# Altium PCB PCB2.PcbDoc (continued)
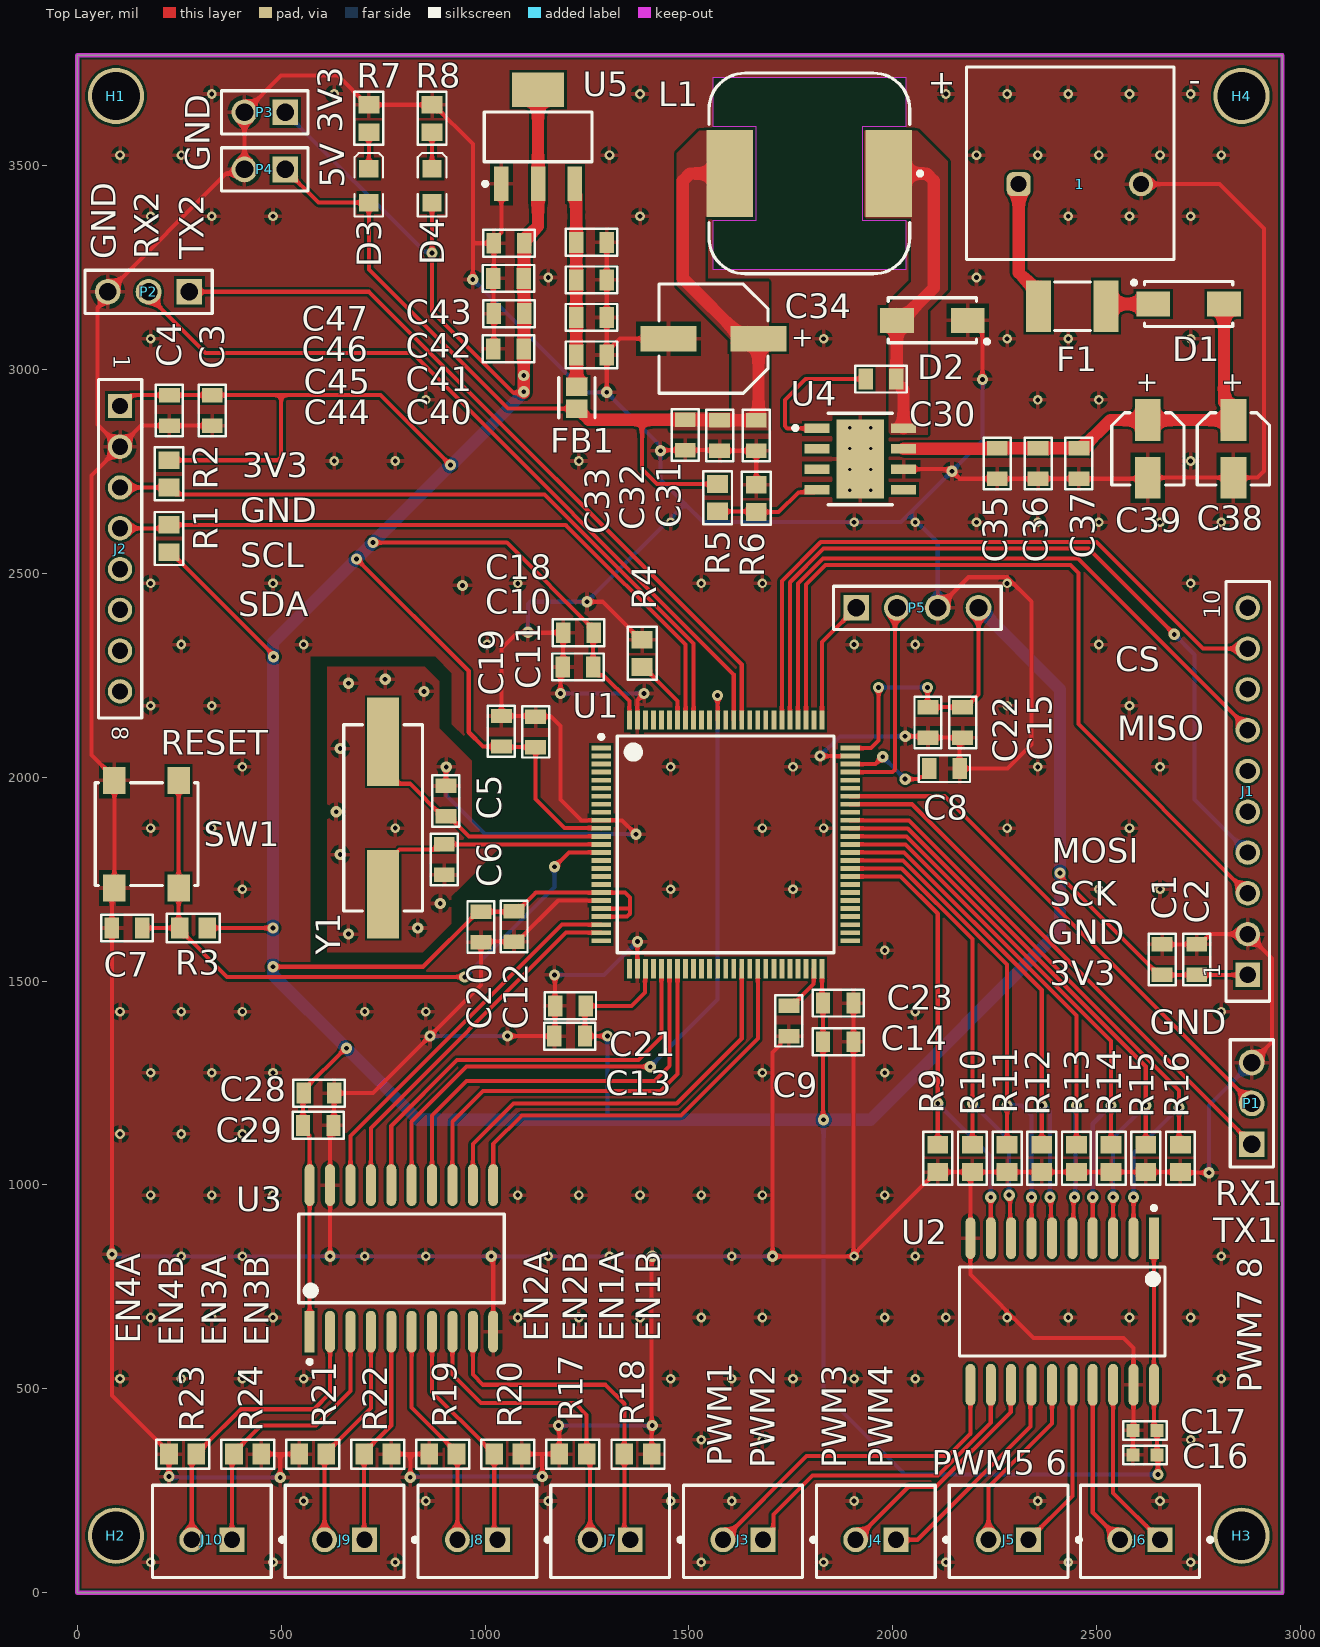
[diagram p0: Top Layer view]
## Part data (continued)
R5: library part 0008051035, "RES, size 0805, 10 KOhm, 1/8 W", Manufacture  Name="Vishay Dale", Manufacture  SN=CRCW080510K0JNEAC, Rated Power="1/8 W", Resistance="10 KOhm", Resistance Tolerance=+/-5%, ComponentLink1Description="Datasheet link", ComponentLink1URL=https://www.vishay.com/docs/28773/crcwce3.pdf, ComponentLink2Description="Supplier 1 URL", ComponentLink2URL=https://www.mouser.vn/ProductDetail/Vishay-Dale/CRCW080510K0JNEB?qs=LOX6nxTstiZ5fn9YUdHx5A%3D%3D, ComponentLink3Description="Supplier 2 URL", ComponentLink3URL=https://www.digikey.com/en/products/detail/vishay-dale/CRCW080510K0JNEAC/7928585, ComponentLink4Description="Supplier 3 URL", ComponentLink4URL=N/A, Mounting Technology=SMT, Size=0805, Supplier 1 Name=Mouser, Supplier 1 SN=71-CRCW080510K0JNEB, Supplier 1 URL=https://www.mouser.vn/ProductDetail/Vishay-Dale/CRCW080510K0JNEB?qs=LOX6nxTstiZ5fn9YUdHx5A%3D%3D, Supplier 2 Name=Digi-Key, Supplier 2 SN=541-4163-2-ND, Supplier 2 URL=https://www.digikey.com/en/products/detail/vishay-dale/CRCW080510K0JNEAC/7928585, Supplier 3 Name=Thegioiic, Supplier 3 SN=N/A, Supplier 3 URL=N/A
R6: library part 0008053325, "RES, size 0805, 3.3 KOhm, 1/8 W", Manufacture  Name=Panasonic, Manufacture  SN=ERJ-S06J332V, Rated Power="1/8 W", Resistance="3.3 KOhm", Resistance Tolerance=+/-5%, ComponentLink1Description="Datasheet link", ComponentLink1URL=https://www.mouser.vn/datasheet/2/315/AOA0000C334-1314047.pdf, ComponentLink2Description="Supplier 1 URL", ComponentLink2URL=https://www.mouser.vn/ProductDetail/Panasonic/ERJ-S06J332V?qs=Lnc17S3XxqC89pwdWk%2FMHQ%3D%3D, ComponentLink3Description="Supplier 2 URL", ComponentLink3URL=https://www.digikey.com/en/products/detail/panasonic-electronic-components/ERJ-6GEYJ332V/83038, ComponentLink4Description="Supplier 3 URL", ComponentLink4URL=https://www.thegioiic.com/dien-tro-3-3-kohm-0805-5, Mounting Technology=SMT, Size=0805, Supplier 1 Name=Mouser, Supplier 1 SN=667-ERJ-S06J332V, Supplier 1 URL=https://www.mouser.vn/ProductDetail/Panasonic/ERJ-S06J332V?qs=Lnc17S3XxqC89pwdWk%2FMHQ%3D%3D, Supplier 2 Name=Digi-Key, Supplier 2 SN="P3.3KATR-ND - Tape & Reel (TR)", Supplier 2 URL=https://www.digikey.com/en/products/detail/panasonic-electronic-components/ERJ-6GEYJ332V/83038, Supplier 3 Name=Thegioiic, Supplier 3 SN=N/A, Supplier 3 URL=https://www.thegioiic.com/dien-tro-3-3-kohm-0805-5
R8: library part 0008051025, "RES, size 0805, 1 KOhm, 1/8 W", Manufacture  Name="Vishay Dale", Manufacture  SN=CRCW08051K00JNEAC, Rated Power="1/8 W", Resistance="1 KOhm", Resistance Tolerance=+/-5%, ComponentLink1Description="Datasheet link", ComponentLink1URL=https://www.vishay.com/docs/28773/crcwce3.pdf, ComponentLink2Description="Supplier 1 URL", ComponentLink2URL=https://www.mouser.vn/ProductDetail/Vishay-Dale/CRCW08051K00JNEC?qs=OW6ROCK%252BaiZqKFsNe9zjFw%3D%3D, ComponentLink3Description="Supplier 2 URL", ComponentLink3URL=https://www.digikey.com/en/products/detail/vishay-dale/CRCW08051K00JNEAC/7928584, ComponentLink4Description="Supplier 3 URL", ComponentLink4URL=https://www.thegioiic.com/dien-tro-1-kohm-0805-5-, Mounting Technology=SMT, Size=0805, Supplier 1 Name=Mouser, Supplier 1 SN=71-CRCW08051K00JNEC, Supplier 1 URL=https://www.mouser.vn/ProductDetail/Vishay-Dale/CRCW08051K00JNEC?qs=OW6ROCK%252BaiZqKFsNe9zjFw%3D%3D, Supplier 2 Name=Digi-Key, Supplier 2 SN=541-4162-2-ND, Supplier 2 URL=https://www.digikey.com/en/products/detail/vishay-dale/CRCW08051K00JNEAC/7928584, Supplier 3 Name=Thegioiic, Supplier 3 SN=N/A, Supplier 3 URL=https://www.thegioiic.com/dien-tro-1-kohm-0805-5-
R9 R10 R11 R12 R13 R14 R15 R16 R17 R18 R19 R20 R21 R22 R23 R24: library part 0008051021, "RES, size 0805, 1 KOhm, 1/8 W", Manufacture  Name="Vishay Dale", Manufacture  SN=M55342K06B1E00RS3, Rated Power="1/8 W", Resistance="1 KOhm", Resistance Tolerance=+/-1%, ComponentLink1Description="Datasheet link", ComponentLink1URL=https://www.vishay.com/docs/31010/rcwpm.pdf, ComponentLink2Description="Supplier 1 URL", ComponentLink2URL=N/A, ComponentLink3Description="Supplier 2 URL", ComponentLink3URL=https://www.digikey.com/en/products/detail/vishay-dale/M55342K06B1E00RS3/2941798, ComponentLink4Description="Supplier 3 URL", ComponentLink4URL=https://www.thegioiic.com/dien-tro-1-kohm-0805-1, Mounting Technology=SMT, Size=0805, Supplier 1 Name=Mouser, Supplier 1 SN=N/A, Supplier 1 URL=N/A, Supplier 2 Name=Digi-Key, Supplier 2 SN=1135-1001-2-ND, Supplier 2 URL=https://www.digikey.com/en/products/detail/vishay-dale/M55342K06B1E00RS3/2941798, Supplier 3 Name=Thegioiic, Supplier 3 SN=N/A, Supplier 3 URL=https://www.thegioiic.com/dien-tro-1-kohm-0805-1
SW1: "WS-TASV J-Bend SMT Washable Tact Switch, 12VDC, 50mA, 160g, height 3.5mm", Actuator Color=Black, Manufacturer="Wurth Elektronik", Operating Temperature max.=85C, Operating Temperature min.=-40C, Rated Current=50mA, Rated Voltage=12V, ComponentLink1Description="Manufacturer Link", ComponentLink1URL=http://www.we-online.de, ComponentLink2Description=Datasheet, ComponentLink2URL=https://www.we-online.com/catalog/datasheet/430483035816.pdf, Contact Material="Stainless Steel", Contact Plating=Silver, Electrical Life=1000000Cycles, Height=3.5mm, Length=6mm, Manufacturer Part Number=430483035816, Mounting Technology=SMT, Operation Force=160g, Packaging="Tape and Reel", Terminal Material="Copper Alloy", Terminal Plating=Silver, Washable=Yes, Width=6mm
U1: library part CMP-0243-00016-3, "ARM Cortex-M4 32-bit MCU+FPU, 210 DMIPS, 512 kB Flash, 192 kB Internal RAM, 82 I/Os, 100-pin LQFP, -40 to 85 degC, Tray", I/Os (High Current)=82, Manufacturer=STMicroelectronics, Operating Frequency(F) (Processor speed) (MHz)=168, Supply Voltage(Vcc) max (V)=3.6, Supply Voltage(Vcc) min (V)=1.8, ComponentLink1Description="Manufacturer URL", ComponentLink1URL=http://www.st.com/web/en/home.html, ComponentLink2Description=Datasheet, ComponentLink2URL=http://www.st.com/st-web-ui/static/active/en/resource/technical/document/datasheet/DM00037051.pdf, ComponentLink3Description="Package Specification", ComponentLink3URL=http://www.st.com/st-web-ui/static/active/en/resource/technical/document/data_brief/DM00071938.pdf, Core="ARM Cortex-M4", D/A Converter=2x12-bit, DatasheetVersion="Rev. 4", FLASH Size (Prog) (kB)=512, Internal RAM Size (kB)=192, Mounting Technology="Surface Mount", PackageDescription="100-Pin Low Profile Quad Flat Package, 14 x 14 mm Body, 0.5 mm Pitch", PackageReference=LQFP100, PackageVersion="Rev. 1, 06/2013", Packing=Tray, PartNumber=STM32F407VET6
U2 U3: library part CMP-1620-00193-3, "IC TRANSCVR NON-INVERT 6V 20SOIC", Case/Package=SOIC, High Level Output Current=-7.8mA, Low Level Output Current=7.8mA, Max Operating Temperature=85°C, Max Supply Voltage=6V, Min Operating Temperature=-40°C, Min Supply Voltage=2V, Operating Supply Voltage=5V, Package Quantity=1, Quiescent Current=8uA, Contact Plating=Gold, Direction=Bidirectional, Height=2.35mm, Lead Free="Lead Free", Length=12.8mm, Logic Function=Transceiver, Mount="Surface Mount", Number of Bits=8, Number of Bits per Element=8, Number of Channels=8, Number of Circuits=8, Number of Elements=1, Number of Outputs=8, Number of Pins=20, Packaging="Tape and Reel", Polarity=Non-Inverting, Propagation Delay=335ns, Radiation Hardening=No, REACH SVHC="No SVHC", RoHS Compliant=Yes, Turn-On Delay Time=335ns, Weight=0.017662oz, Width=7.52mm
U4: library part CMP-2000-04960-2, "IC REG BUCK ADJUSTABLE 3A 8SOPWR", Manufacturer="Texas Instruments", Max Junction Temp=+125°C, Max Supply Voltage=36V, Min Supply Voltage=5.5V, Nominal Supply Current=3mA, Output Current=3A, Output Voltage=1.23-31V, Package=DDA0008J, Switching Frequency=500kHz, Temperature="-40°C to +125°C", Temperature Range Low=-40°C, Automotive=No, Category=IC, ComponentLink2Description=Datasheet, ComponentLink2URL=http://www.ti.com/lit/ds/symlink/tps5431.pdf, Device Class L1="Integrated Circuits (ICs)", Device Class L2="Power Management ICs", Device Class L3="Voltage Regulators - Switching", Digikey Description="IC REG BUCK ADJUSTABLE 3A 8SOPWR", Height=1.7mm, Lead Free=Yes, Manufacturer Part Number=TPS5430DDA, Max Duty Cycle=89%, Mouser Description="Voltage Regulators - Switching Regulators 5.5 to 36V Input 3A Step Dwn Converter", Number of Outputs=1, Octopart=https://octopart.com/tps5430dda-texas+instruments-589977, Output Type=AdjustableProgrammable, RoHS=TRUE, Standoff Height=0mm, Switching Topology=Buck, Temperature Range High=+125°C
U5: library part AMS1117-3.3V, "AMS1117-3.3V, OUT 3.3V 1A.", Current Input Maximum=N/A, Current Output Maximum=1A, Manufacturer=AMS, Voltage Input Maximum=15V, Voltage Output=3.3V, ComponentLink1Description="Datasheet link", ComponentLink1URL=http://www.advanced-monolithic.com/pdf/ds1117.pdf, ComponentLink2Description="Supplier 1 URL", ComponentLink2URL=N/A, ComponentLink3Description="Supplier 2 URL", ComponentLink3URL=N/A, ComponentLink4Description="Supplier 3 URL", ComponentLink4URL=N/A, Manufacturer Part Number=N/A, Mounting Technology=SMD, Pad Count=4, Supplier 1 Name=Mouser, Supplier 1 SN=N/A, Supplier 1 URL=N/A, Supplier 2 Name=Digi-Key, Supplier 2 SN=N/A, Supplier 2 URL=N/A, Supplier 3 Name=thegioiic, Supplier 3 SN=N/A, Supplier 3 URL=https://www.thegioiic.com/ams1117-3-3v-ic-on-ap-3-3v-1a-sot-223
Y1: library part 071105086016, "WE-XTAL Quartz Crystal, SMT, HC49/4HSMX, 8MHz, +/-30ppm", Frequency Stability=+/-50ppm, Frequency Tolerance=+/-30ppm, Load Capacitance=16pF, Manufacturer="Wurth Elektronik", Manufacturer Part Number=830003151, Operating Temperature="-10 to +60degC", ComponentLink1Description="Datasheet link", ComponentLink1URL=https://katalog.we-online.com/pbs/datasheet/830003151.pdf, ComponentLink2Description="Supplier 1 URL", ComponentLink2URL=https://www.mouser.com/ProductDetail/Wurth-Elektronik/830003151?qs=2WXlatMagcHisY7XHApyYg%3D%3D, ComponentLink3Description="Supplier 2 URL", ComponentLink3URL=https://www.digikey.com/en/products/detail/w%C3%BCrth-elektronik/830003151/13979296, ComponentLink4Description="Supplier 3 URL", ComponentLink4URL=https://www.thegioiic.com/thach-anh-8mhz-2-chan-smd-hc49-s, Frequency=8MHz, Mounting Technology=SMT, Size=HC49/4HSMX, Supplier 1 Name=Mouser, Supplier 1 SN=710-830003151, Supplier 1 URL=https://www.mouser.com/ProductDetail/Wurth-Elektronik/830003151?qs=2WXlatMagcHisY7XHApyYg%3D%3D, Supplier 2 Name=Digi-Key, Supplier 2 SN=732-830003151TR-ND, Supplier 2 URL=https://www.digikey.com/en/products/detail/w%C3%BCrth-elektronik/830003151/13979296, Supplier 3 Name=thegioiic, Supplier 3 SN=N/A, Supplier 3 URL=https://www.thegioiic.com/thach-anh-8mhz-2-chan-smd-hc49-s

## Via types
v1: diameter 23.62, hole 11.81, Top Layer to Bottom Layer, tented both sides, 157 vias
v2: diameter 27.56, hole 11.81, Top Layer to Bottom Layer, tented both sides, 78 vias
v3: diameter 19.68, hole 7.87, Top Layer to Bottom Layer, 8 vias

## Nets (pads, with @x,y where several pads share a name; then routed paths per layer and width w, separated by ;. In a path a pad name is that pad's centre, name@x,y a point inside that pad or via, vN(x,y) a via of type N, cw(c..) or ccw(c..) an arc to the next point about the centre after c; other vN are vias at no path point)
3V3: C1.2 C2.2 C3.2 C4.2 C10.2 C11.2 C12.2 C13.2 C14.2 C15.2 C16.2 C17.2 C18.2 C19.2 C20.2 C21.2 C22.2 C23.2 C28.2 C29.2 C44.2 C45.2 C46.2 C47.2 D4.1 J1.1 J2.1 P3.1 P5.4 R1.1 R2.1 R3.2 U1.11 U1.19 U1.21 U1.22 U1.28 U1.50 U1.75 U1.100 U2.1 U2.20 U3.1 U3.20 U5.2 U5.4 | length 16758.8
  Top Layer w10: J2.1 131.4,2936.4 C4.2 C3.2 500,2936.4 ; R1.1 228.94,2551.54 481.54,2298.94 v2(481.54,2295) ; R2.1 491.93,2776.93 500,2785 500,2936.4 ; R3.2 v2(480,1630) ; v2(480,1535) 847.32,1535 982.13,1669.8 C20.2 1069.4,1669.8 C12.2 1078.87,1671.4 1124.36,1716.89 U1.19 1343.11,1716.89 1355,1705 1355,1675 ; U3.1 U3.20 570,1121.72 553.6,1138.13 C29.2 553.6,1223.4 C28.2 555.2,1232.87 657.32,1335 v2(660,1335) ; v2(685,2535) 960,2260 960,2110 995,2075 C19.2 1041.4,2073.6 C11.2 1124,1946 1194.72,1875.28 1283.98,1875.28 U1.11 ; v2(725,2575) 1053.28,2575 1266.4,2361.87 C18.2 1265,2352.6 C10.2 1265,2262.13 1277.72,2249.41 1290.59,2249.41 1353.78,2186.22 U1.100 ; D4.1 v2(870,3285) 870,3141.33 1068.76,2942.57 v2@1095,2942.57 ; v2(915,2765) 743.6,2936.4 500,2936.4 ; U1.22 1347.83,1657.83 1355,1665 1355,1675 ; U1.21 1352.48,1677.52 1355,1675 ; v2(1300,1365) C13.2 1245,1437.6 C21.2 1359,1439 1392.24,1472.24 1392.24,1528.98 U1.28 ; U1.50 1826.22,1448.38 C23.2 C14.2 1828.6,1161.4 v2(1830,1160) ; U1.75 1946.22,2071.22 1965,2090 v2(1965,2220) ; v2(2085,2220) 2085,2178.28 2078.13,2171.4 C22.2 C15.2 2178.87,2171.4 2210,2202.53 P5.4 ; v2(2410,1765) 2413.36,1761.64 2413.36,1753.77 2652.13,1515 C1.2 C2.2 J1.1 ; U2.1 U2.20 2640,405.53 C17.2 C16.2 2650,335.53 v2(2650,290)
  Top Layer w30: v2@1095,2942.57 C45.2 1095.7,3050.7 1095.7,3135.63 C46.2 1095.7,3137.03 1095.7,3221.97 C44.2 1095.7,3223.37 1095.7,3308.3 C47.2 1096.4,3316.87 1130,3350.47 U5.2 U5.4
  Bottom Layer w10: P3.1 851.64,3288.36 866.64,3288.36 v2(870,3285) ; v2(1300,1365) 1300,1165 1305,1160 ; v2(1830,1160) 1830,490 2030,290 v2(2650,290) ; v2(1965,2220) v2(2085,2220)
  Bottom Layer w30: v2(1095,2985) 1095,2942.57 916.21,2763.79 913.79,2763.79 v2(725,2575) v2(685,2535) 480,2330 v2(480,1630) v2(480,1535) 480,1515 v2(660,1335) 835,1160 1305,1160 v2(1830,1160) 1945,1160 2410,1625 v2(2410,1765) 2410,2215 P5.4
  other v2: 1095,2945
5V: C31.2 C32.2 C33.2 C34.1 D3.1 FB1.1 L1.2 P4.1 R5.2 | length 2640.5
  Top Layer w10: P4.1 591.34,3408.66 D3.1 715,3245 1056.61,2903.39 FB1.1 ; 1385,2876.4 1385,2755 1421.54,2718.46 R5.2
  Top Layer w30: FB1.1 1228.97,2903.39 1236.7,2895.67 1236.7,2893.98 1254.27,2876.4 1385,2876.4 C33.2 1491.8,2875.6 1574.2,2875.6 C32.2 1575.1,2874.9 1664.9,2874.9 C31.2 1667.52,2875 1670.24,2877.72 C34.1 1632.83,3075 1485,3222.83 1485,3462.43 1502.57,3480 L1.2
BOOT0: R4.2 U1.94 | length 168.2
  Top Layer w10: R4.2 1388.94,2270 1471.89,2187.05 U1.94
EN_1A: U1.40 U3.12 | length 1037.6
  Top Layer w10: U3.12 970,1100 1070,1200 1470,1200 1629.37,1359.37 U1.40
EN_1B: U1.42 U3.11 | length 1027.3
  Top Layer w10: U3.11 1020,1100 1090,1170 1480,1170 1668.74,1358.74 U1.42
EN_2A: U1.31 U3.14 | length 1040.8
  Top Layer w10: U3.14 870,1170 955,1255 1415,1255 1452.2,1292.2 U1.31
EN_2B: U1.32 U3.13 | length 1013.6
  Top Layer w10: U3.13 920,1155 995,1230 1430,1230 1471.89,1271.89 U1.32
EN_3A: U1.30 U3.16 | length 1065.2
  Top Layer w10: U3.16 770,1145 931,1306 1376,1306 1432.52,1362.52 U1.30
EN_3B: U1.89 U3.15 | length 1834.5
  Top Layer w10: U3.15 820,1155 955,1290 v2(1405,1290) ; v2(1570,2200) 1570.31,2199.68 U1.89
  Bottom Layer w10: v2(1405,1290) 1570,1455 v2(1570,2200)
EN_4A: U1.23 U3.18 | length 949.8
  Top Layer w10: U3.18 670,1120 1188.15,1638.15 U1.23
EN_4B: U1.24 U3.17 | length 903.3
  Top Layer w10: U3.17 720,1140 1198.46,1618.46 U1.24
ENCODER_1A: J7.2 R17.2 U3.8 | length 784.8
  Top Layer w10: U3.8 920,535 990,465 1220,465 1248.96,436.04 R17.2 1257.59,331.37 J7.2
ENCODER_1B: J7.1 R18.2 U3.9 | length 845.9
  Top Layer w10: U3.9 970,535 995,510 1295,510 1341.54,463.46 R18.2 1341.54,144.48 J7.1
ENCODER_2A: J8.2 R19.2 U3.6 | length 556.6
  Top Layer w10: U3.6 820,453.89 929.95,343.94 R19.2 931.99,337.96 J8.2
ENCODER_2B: J8.1 R20.2 U3.7 | length 579
  Top Layer w10: U3.7 870,492.53 1001.93,360.59 1005.87,360.59 1022.53,343.94 1022.53,137.89 J8.1
ENCODER_3A: J9.2 R21.2 U3.4 | length 557.3
  Top Layer w10: J9.2 606.39,335.45 R21.2 610.94,343.94 720,453 U3.4
ENCODER_3B: J9.1 R22.2 U3.5 | length 538.3
  Top Layer w10: J9.1 703.52,131.3 R22.2 703.52,343.94 770,410.42 U3.5
ENCODER_4A: J10.2 R23.2 U3.2 | length 757.4
  Top Layer w10: J10.2 280.79,328.86 R23.2 291.93,343.94 308.58,360.59 312.52,360.59 401.93,450 580,450 620,490 U3.2
ENCODER_4B: J10.1 R24.2 U3.3 | length 709.5
  Top Layer w10: J10.1 379.21,334.71 R24.2 384.51,343.94 450.57,410 585,410 670,495 U3.3
GND: 1.2 C1.1 C2.1 C3.1 C4.1 C5.1 C6.1 C7.1 C8.1 C9.1 C10.1 C11.1 C12.1 C13.1 C14.1 C15.1 C16.1 C17.1 C18.1 C19.1 C20.1 C21.1 C22.1 C23.1 C28.1 C29.1 C31.1 C32.1 C33.1 C34.2 C35.1 C36.1 C37.1 C38.2 C39.2 C40.1 C41.1 C42.1 C43.1 C44.1 C45.1 C46.1 C47.1 D2.1 J1.2 J2.2 P1.3 P2.3 P3.2 P4.2 P5.3 R4.1 R6.1 R7.1 R8.1 R9.1 R10.1 R11.1 R12.1 R13.1 R14.1 R15.1 R16.1 R17.1 R18.1 R19.1 R20.1 R21.1 R22.1 R23.1 R24.1 SW1.B1 SW1.B2 U1.10 U1.20 U1.27 U1.74 U1.99 U2.10 U2.19 U3.10 U3.19 U4.6 U4.9 U5.1 | length 24211.3
  Top Layer w10: v2(225,285) R23.1 225,343.94 85,483.94 v2(85,829.93) C7.1 85,1721.85 SW1.B2 SW1.B1 91.26,1997.8 35,2054.06 35,2740 J2.2 ; C3.1 C4.1 156.6,2861.6 J2.2 ; R24.1 497.72,340 ; v2(497.72,282.72) 497.72,340 ; R21.1 497.72,340 ; v2(620,825) U3.19 620,1137.6 C29.1 630,1147.6 C28.1 725,1225 v2(865,1365) 990,1490 C20.1 991.6,1596.6 C12.1 1078.87,1596.6 1179.48,1697.2 U1.20 ; R22.1 816.73,340 ; v2(816.73,283.27) 816.73,340 ; R19.1 816.73,340 ; C5.1 904,2024 v2(905,2025) ; v2(970,3220) 970,3314.86 ; v2(1015,825) 1020,820 U3.10 ; C45.1 1021.6,3051.4 C46.1 1020.2,3137.73 C44.1 1021.6,3224.07 C47.1 ; U5.1 1039.84,3335.12 1021.6,3316.87 C47.1 ; v2(1055,1365) C13.1 1171.6,1366.4 C21.1 1171.6,1513.4 v2(1170,1515) ; R20.1 1135.74,340 ; v2(1140,285) 1140,335.74 1135.74,340 ; v2(1180,410) 1182.03,407.97 R17.1 1135.74,340 ; v2(1185,2205) 1185,2264.8 C10.1 1191.6,2271.4 C18.1 1079,2354 1040,2315 C19.1 1122.6,2149.8 C11.1 1161.6,2148.4 1185,2125 1185,1945 1235.94,1894.06 U1.10 1335.94,1894.06 v2(1370,1860) ; v2(1250,2430) 1287.99,2430 1381.06,2336.93 R4.1 ; v2(1298.4,2943.4) C40.1 C40.1@1298.4,3042.87 ; C43.1 C42.1 C41.1 C40.1@1298.4,3042.87 ; U1.27 v2(1373.46,1596.54) ; U1.99 1373.46,2188.46 v2(1390,2205) ; R18.1 1408.46,823.46 v2(1410,825) ; v2(1430,2800) 1431.6,2801.6 C33.1 1573.4,2801.6 C32.1 1575.2,2800.2 C31.1 R6.1 ; C34.2 1330.53,3075 C40.1@1298.4,3042.87 ; C9.1 1737.13,1365 1724.41,1352.28 1724.41,1344.41 1705,1325 v2(1705,825) 1899.53,825 v1@1903.4,828.87 ; v2(1821.54,2051.54) U1.74 ; C23.1 C14.1 v1@1903.4,828.87 ; U4.6 2140,2755 v2(2145,2750) 2163.4,2731.6 C35.1 C36.1 C37.1 2622.46,2731.6 C39.2 C38.2 2894.13,2734.13 2910,2750 2910,3345 2801.17,3453.83 1.2 ; v2(2030,2100) 2082.6,2100 C22.1 C15.1 2163.4,2089 C8.1 2281,2021 2340,2080 2340,2430 2280,2490 2185,2490 P5.3 ; D2.1 2194.06,3120 2219.57,3094.49 2219.57,2975.43 v2(2220,2975) ; C16.1 C17.1 2590,399.53 U2.19 2590,600 2565,625 2345,625 2190,780 U2.10 2190,1026.54 R10.1 ; C1.1 C2.1 2752.87,1589.8 2778.07,1615 J1.2 2930,1555 2930,1350 P1.3 ; v2(2775,1030) 2706.54,1030 R16.1 R15.1 R14.1 R13.1 R12.1 R11.1 R10.1 ; J2.2 50,2865 50,3150.66 75,3175.66 P2.3 364.86,3479.86 399.86,3479.86 P4.2 P3.2 500,3720 639.53,3720 711.06,3648.46 R7.1 R8.1 873.94,3648.46 970,3552.4 970,3314.86 ; 970,3314.86 975.86,3309 C47.1 ; v1@1903.4,828.87 2106.06,1031.54 R9.1 R10.1
  Bottom Layer w10: v2(85,829.93) 88.36,826.57 98.07,826.57 99.64,825 v2(620,825) v2(1015,825) v2(1410,825) v2(1705,825) ; v2(225,285) 227.28,282.72 v2(497.72,282.72) ; v2(816.73,283.27) 818.46,285 v2(1140,285) ; v2(865,1365) v2(1055,1365) ; v2(905,2025) 905,1955 1000,1860 v2(1370,1860) ; v2(970,3220) 1246.6,2943.4 v2(1298.4,2943.4) 1426.64,2815.16 ; v2(1105,2355) 1105,2424.14 1110.86,2430 v2(1250,2430) 1490,2670 ; v2(1170,1515) 1291.93,1515 v2(1373.46,1596.54) ; v2(1180,410) v2(1410,410) ; v2(1185,2205) v2(1390,2205) ; v2(1430,2800) 1430,2730 1490,2670 ; v2(1821.54,2051.54) 1870,2100 v2(2030,2100) ; P5.3 2110,2575 2040,2645 ; v2(2220,2975) 2220,2825 v2(2145,2750) 2040,2645 ; v2(2775,1030) 2775,1195 P1.3 ; 1490,2670 1535,2625 2020,2625 2040,2645
  other v1: 180,75 480,75 780,75 1530,75 1830,75 2130,75 2430,75 2730,75 555,225 855,225 1155,225 1455,225 1605,225 1905,225 2355,225 2655,225 1530,375 1680,375 2730,375 105,525 255,525 405,525 555,525 1455,525 1605,525 1755,525 1905,525 2055,525 2805,525 180,675 330,675 480,675 1080,675 1230,675 1380,675 1530,675 1680,675 1980,675 2130,675 2280,675 2430,675 2580,675 2730,675 255,825 405,825 705,825 855,825 1155,825 1305,825 1605,825 1905,825 2055,825 2805,825 180,975 330,975 480,975 1080,975 1230,975 1380,975 1530,975 1680,975 1980,975 105,1125 255,1125 405,1125 180,1275 330,1275 480,1275 1680,1275 1980,1275 105,1425 255,1425 405,1425 705,1425 855,1425 2055,1425 2805,1425 1980,1575 405,1725 1455,1725 1755,1725 2505,1725 2655,1725 180,1875 330,1875 780,1875 1680,1875 1830,1875 2280,1875 2580,1875 405,2025 1455,2025 1755,2025 2355,2025 2655,2025 180,2175 330,2175 2280,2175 2580,2175 255,2325 555,2325 1005,2325 1905,2325 2055,2325 2505,2325 180,2475 480,2475 1080,2475 1530,2475 1680,2475 2280,2475 2730,2475 1455,2625 1905,2625 2055,2625 2205,2625 2355,2625 2505,2625 2655,2625 2805,2625 630,2775 780,2775 1230,2775 2730,2775 855,2925 2355,2925 2505,2925 180,3075 1830,3075 2280,3075 2430,3075 2730,3075 1155,3225 2205,3225 180,3375 330,3375 480,3375 1380,3375 2430,3375 2580,3375 2730,3375 105,3525 255,3525 1305,3525 2205,3525 2355,3525 2505,3525 2655,3525 2805,3525 330,3675 630,3675 1380,3675 2130,3675 2280,3675 2430,3675 2580,3675 2730,3675
  other v2: 665,1615 835,1630 890,1690 645,1810 635,1915 645,2070 850,2210 665,2230 755,2240 945,2470
  other v3: 1894.41,2703.23 1945.59,2703.23 1894.41,2754.41 1945.59,2754.41 1894.41,2805.59 1945.59,2805.59 1894.41,2856.77 1945.59,2856.77
I2C_SCK: J2.4 R1.2 U1.93 | length 1696.3
  Top Layer w10: J2.4 216.54,2610 R1.2 1197.8,2618.46 1491.57,2324.69 U1.93
I2C_SCL: J2.3 R2.2 U1.92 | length 1752.2
  Top Layer w10: J2.3 R2.2 241.65,2693.35 1145.55,2693.35 1511.26,2327.63 U1.92
NetC30_1: C30.1 D2.2 L1.1 U4.8 | length 878.9
  Top Layer w30: L1.1@2021.44,3560.65 L1.1@2032.09,3571.3 ; U4.8 2026.3,2950.23 2008.4,2968.13 C30.1 2009.2,2976.8 2009.2,3119.2 D2.2 2020.83,3120 2100,3199.17 2100,3462.43 2082.43,3480 L1.1 1990,3507.91 L1.1@2032.09,3550
NetC30_2: C30.2 U4.1 | length 365
  Top Layer w10: U4.1 1740.86,2855 1735,2860.86 1735,2925 1786,2976 C30.2
NetC40_2: C40.2 C41.2 C42.2 C43.2 FB1.2 U5.3 | length 500
  Top Layer w30: U5.3 1220.16,3430.04 1223.6,3426.6 C43.2 1223.6,3216 1223.6,3131 1223.6,3041 1224.3,3040.3 1224.3,2957.31 FB1.2
NetD1_1: D1.1 F1.2 | length 117.8
  Top Layer w30: F1.2 2527.68,3160 D1.1
NetD3_2: D3.2 R7.2 | length 90.2
  Top Layer w10: D3.2 R7.2
NetD4_2: D4.2 R8.2 | length 90.2
  Top Layer w10: D4.2 R8.2
NetJ1_9: J1.9 U1.81 | length 1630.4
  Top Layer w10: U1.81 1727.8,2480.68 1823.12,2576 2499.04,2576 2760.04,2315 J1.9
NetR5_1: R5.1 R6.2 U4.4 | length 267.1
  Top Layer w10: R5.1 1663.46,2651.54 R6.2 1720,2650 1768.19,2698.19 1806.89,2698.19 U4.4
NRST: C7.2 R3.1 SW1.A1 SW1.A2 U1.14 | length 1695.9
  Top Layer w10: C7.2 R3.1 ; SW1.A1 SW1.A2 248.74,1632.8 R3.1 ; v2(950,1510) 367.6,1510 251.54,1626.06 R3.1 ; v2(1170,1780) 1205.31,1815.32 U1.14
  Bottom Layer w10: v2(950,1510) 1170,1730 v2(1170,1780)
OSC_IN: C5.2 U1.12 Y1.1 | length 671.5
  Top Layer w10: Y1.1 750,2018.11 784.37,1983.74 815.98,1983.74 896.13,1903.6 C5.2 911.87,1903.6 960.79,1854.68 U1.12
OSC_OUT: C6.2 U1.13 Y1.2 | length 625.8
  Top Layer w10: Y1.2 750,1781.89 790.39,1822.28 887.28,1822.28 C6.2 U1.13
PWM1: R9.2 U1.59 U2.9 | length 1203.6
  Top Layer w10: U1.59 2018.74,1756.26 2110,1665 v2(2110,1200) R9.2 ; U2.9 v2(2240,970)
  Bottom Layer w10: v2(2110,1200) 2240,1070 v2(2240,970)
PWM1O: J3.2 U2.11 | length 834.5
  Top Layer w10: J3.2 1788.19,335 2135,335 2190,390 U2.11
PWM2: R10.2 U1.60 U2.8 | length 1245.7
  Top Layer w10: U1.60 2021.68,1775.94 2195,1602.63 v2(2195,1200) R10.2 ; v2(2285,975) 2287.5,972.5 2287.5,871.99 U2.8
  Bottom Layer w10: v2(2195,1200) 2285,1110 v2(2285,975)
PWM2O: J3.1 U2.12 | length 791.5
  Top Layer w10: J3.1 1707.13,155.51 1707.13,192.13 1802.75,287.75 2110.38,287.75 2240,417.37 U2.12
PWM3: R11.2 U1.61 U2.7 | length 1308.3
  Top Layer w10: U1.61 2024.62,1795.63 2280,1540.25 v2(2280,1195) R11.2 ; U2.7 v2(2340,970)
  Bottom Layer w10: v2@2275,1195 v2(2280,1195) 2315,1195 2340,1170 v2(2340,970)
PWM3O: J4.2 U2.13 | length 576.8
  Top Layer w10: J4.2 2038.8,260 2105.25,260 2289.02,443.76 2289.02,509.02 U2.13
PWM4: R12.2 U1.62 U2.6 | length 1327.7
  Top Layer w10: U1.62 2027.57,1815.32 2365,1477.88 v2(2365,1195) R12.2 ; v2(2385,970) 2387.5,967.5 2387.5,871.99 U2.6
  Bottom Layer w10: v2(2365,1195) 2369.75,1195 2384.75,1180 2384.75,970.25 v2(2385,970)
PWM4O: J4.1 U2.14 | length 548.8
  Top Layer w10: J4.1 2060,130 2337.23,407.23 2337.23,507.23 U2.14
PWM5: R13.2 U1.63 U2.5 | length 1375.3
  Top Layer w10: U1.63 2030.51,1835 2450,1415.51 v2(2450,1195) R13.2 ; U2.5 2442.5,871.99 2442.5,967.5 v2(2445,970)
  Bottom Layer w10: v2(2445,970) 2447.5,972.5 2447.5,1192.5 v2(2450,1195)
PWM5O: J5.2 U2.15 | length 444.5
  Top Layer w10: J5.2 2234.4,259.4 2390,415 U2.15
PWM6: R14.2 U1.64 U2.4 | length 1446.5
  Top Layer w10: U1.64 2033.45,1854.68 2535,1353.14 v2(2535,1195) R14.2 ; U2.4 v2(2490,970)
  Bottom Layer w10: v2(2490,970) 2490,1150 v2(2535,1195)
PWM6O: J5.1 U2.16 | length 424.4
  Top Layer w10: J5.1 2440,237.18 U2.16
PWM7: R15.2 U1.65 U2.3 | length 1517.2
  Top Layer w10: U1.65 2036.39,1874.37 2620,1290.76 v2(2620,1194.61) R15.2 ; U2.3 v2(2540,970)
  Bottom Layer w10: v2(2540,970) 2540,1114.61 v2(2620,1194.61)
PWM7O: J6.2 U2.17 | length 407.6
  Top Layer w10: U2.17 2490,196.57 J6.2
PWM8: R16.2 U1.66 U2.2 | length 1584.3
  Top Layer w10: U1.66 2039.34,1894.06 2701.54,1231.86 v2(2701.54,1190) 2701.54,1098.46 R16.2 ; U2.2 v2(2590,970)
  Bottom Layer w10: v2(2590,970) 2590,1078.46 v2(2701.54,1190)
PWM8O: J6.1 U2.18 | length 427.6
  Top Layer w10: U2.18 2540,245 J6.1
SPI3_MISO: J1.7 U1.79 | length 1640.2
  Top Layer w10: U1.79 1767.17,2474.79 1828.37,2536 2454,2536 2870,2120 J1.7
SPI3_MOSI: J1.4 U1.80 | length 2010.8
  Top Layer w10: U1.80 1747.48,2477.74 1829.75,2560 2480,2560 v2(2690,2350)
  Bottom Layer w10: v2(2690,2350) 2740,2300 2740,1945 J1.4
SPI3_SCK: J1.3 U1.78 | length 1985
  Top Layer w10: U1.78 1786.85,2471.85 1835,2520 2435,2520 2455,2500 2455,2130 J1.3
SWCLK: P5.1 U1.76 | length 309.6
  Top Layer w10: U1.76 1826.22,2331.22 P5.1
SWDIO: P5.2 U1.72 | length 511.5
  Top Layer w10: U1.72 1999.36,2012.17 2005.22,2018.02 2005.22,2410.22 P5.2
UART1_RX: P1.2 U1.69 | length 1296.8
  Top Layer w10: U1.69 2126.89,1953.11 P1.2
UART1_TX: P1.1 U1.68 | length 1330.1
  Top Layer w10: U1.68 2046.57,1933.43 P1.1
UART2_RX: P2.2 U1.87 | length 1940.9
  Top Layer w10: P2.2 175,3180 315,3040 821.52,3040 1609.69,2251.83 U1.87
UART2_TX: P2.1 U1.86 | length 1868.6
  Top Layer w10: P2.1 715,3190 1629.37,2275.63 U1.86
VCAP1: C9.2 U1.49 | length 120.2
  Top Layer w10: C9.2 1752.87,1439.8 1805.63,1492.56 1805.63,1528.98 U1.49
VCAP2: C8.2 U1.73 | length 239.2
  Top Layer w10: U1.73 1956.85,2031.85 v2(1975,2050) ; v2(2030,1995) 2062.6,1995 2068.01,2000.41 2075.88,2000.41 2088.6,2013.13 C8.2
  Bottom Layer w10: v2(1975,2050) v2(2030,1995)
VCC: C35.2 C36.2 C37.2 C38.1 C39.1 D1.2 U4.7 | length 1129.9
  Top Layer w30: U4.7 C35.2@2254.6,2805 ; C35.2 C36.2 C37.2 2463.87,2806.4 2533.34,2875.87 C39.1 C38.1 2835,2895.55 2811.61,2918.94 D1.2
VIN: 1.1 F1.1 | length 319.1
  Top Layer w30: 1.1 2308.42,3236.58 2357.32,3187.68 F1.1
pads on no net: H1.1 H2.1 H3.1 H4.1 J1.5 J1.6 J1.8 J1.10 J2.5 J2.6 J2.7 J2.8 U1.1 U1.2 U1.3 U1.4 U1.5 U1.6 U1.7 U1.8 U1.9 U1.15 U1.16 U1.17 U1.18 U1.25 U1.26 U1.29 U1.33 U1.34 U1.35 U1.36 U1.37 U1.38 U1.39 U1.41 U1.43 U1.44 U1.45 U1.46 U1.47 U1.48 U1.51 U1.52 U1.53 U1.54 U1.55 U1.56 U1.57 U1.58 U1.67 U1.70 U1.71 U1.77 U1.82 U1.83 U1.84 U1.85 U1.88 U1.90 U1.91 U1.95 U1.96 U1.97 U1.98 U4.2 U4.3 U4.5

## Polygon pours and split planes (outlines as drawn)
GND on Top Layer "GND_L01_P006" (solid, remove dead copper, pour order 6): 0,0 2955,0 2955,3770 0,3770
5V on Top Layer "5V_L01_P003" (solid, remove dead copper, pour order 3): 1651.04,3585 1525,3585 1470,3530 1470,3205 1605,3070 1605,2900 1600,2895 1455,2895 1455,2850 1695,2850 1695,3010 1695,3215 1540,3215 1540,3375 1656.02,3375
NetC30_1 on Top Layer "NETC30_1_L01_P002" (solid, remove dead copper, pour order 2): 2060,3585 2135,3510 2135,3195 2085,3145 2085,2840 1995,2840 1990,2845 1990,3160 2045,3215 2045,3370 1935,3370 1930,3375 1930,3585
GND on Bottom Layer "GND_L02_P001" (solid, remove dead copper, pour order 1): 10,3765 2955,3765 2955,5 10,5

## Keep-outs
Keep-Out Layer:
  the board outline again, w10

## Other copper
Top Layer:
  pour cut-out: 1558.9,3594.17 1665.2,3594.17 1665.2,3365.83 1558.9,3365.83 1558.9,3243.78 2031.34,3243.78 2031.34,3365.83 1925.04,3365.83 1925.04,3594.17 2031.34,3594.17 2031.34,3716.22 1558.9,3716.22
  pour cut-out: 572.5,1545 852.5,1545 947.5,1640 947.5,1702.5 1045,1800 1167.5,1800 1167.5,1825 1035,1825 917.5,1707.5 917.5,1640 847.5,1570 612.5,1570 612.5,2270 852.5,2270 887.5,2235 887.5,2120 967.5,2040 967.5,1890 987.5,1870 1167.5,1870 1167.5,1890 1032.5,1890 997.5,1925 997.5,2050 917.5,2130 917.5,2255 877.5,2295 572.5,2295
  pour cut-out: 572.5,1545 852.5,1545 947.5,1640 947.5,1702.5 1045,1800 1167.5,1800 1167.5,1825 1035,1825 917.5,1707.5 917.5,1640 847.5,1570 612.5,1570 612.5,2270 852.5,2270 887.5,2235 887.5,2120 967.5,2040 967.5,1890 987.5,1870 1167.5,1870 1167.5,1890 1032.5,1890 997.5,1925 997.5,2050 917.5,2130 917.5,2255 877.5,2295 572.5,2295
Bottom Layer:
  pour cut-out: 1520,3755 2050,3755 2050,3215 1520,3215

## Silkscreen, mask and mechanical layers (free items; w line width, h text height)
Top Overlay:
  text "-" at 2725,3680.01 h60
  text "+" at 2085,3675 h60
  text "3V3" at 650,3580 h60 r90
  text "GND" at 325,3485 h60 r90
  text "5V" at 655,3445 h60 r90
  text "GND" at 95,3270 h60 r90
  text "RX2" at 200,3270 h60 r90
  text "TX2" at 310,3270 h60 r90
  text "3V3" at 405,2735 h60
  text "GND" at 400,2625 h60
  text "SCL" at 400,2515 h60
  text "SDA" at 395,2395 h60
  text "CS" at 2545,2260 h60
  text "MISO" at 2550,2090 h60
  text "RESET" at 205,2055 h60
  text "MOSI" at 2390,1790 h60
  text "SCK" at 2385,1685 h60
  text "GND" at 2380,1590 h60
  text "3V3" at 2385,1490 h60
  text "GND" at 2630,1370 h60
  text "RX1" at 2790,950 h60
  text "TX1" at 2785,860 h60
  text "EN2A" at 1155,615 h60 r90
  text "EN2B" at 1250,615 h60 r90
  text "EN1A" at 1340,615 h60 r90
  text "EN1B" at 1430,615 h60 r90
  text "EN4A" at 155,610 h60 r90
  text "EN4B" at 260,605 h60 r90
  text "EN3A" at 365,605 h60 r90
  text "EN3B" at 470,605 h60 r90
  text "PWM7 8" at 2905,490 h60 r90
  text "PWM1" at 1605,310 h60 r90
  text "PWM2" at 1710,305 h60 r90
  text "PWM3" at 1885,305 h60 r90
  text "PWM4" at 2000,305 h60 r90
  text "PWM5 6" at 2095,290 h60
Bottom Overlay:
  drawing of 216 lines, arcs and shapes, not listed
  text "STM32F407VET6" at 1160,2735 h60
  text "PWM1-4: TIMER 4" at 1155,2630 h60
  text "PWM5-8: TIMER 8" at 1160,2520 h60
  text "EN3: TIM2 EN4: TIM5" at 1425,2410 h60
  text "EN1: TIM1 EN2: TIM3" at 1425,2315 h60
  text "I2C1" at 1135,2190 h60
  text "SPI3: CS-PD0" at 1145,2070 h60

## Text inside footprints (layer, text, board x,y; h text height)
C34: Top Overlay "+" at 1750.94,3055.31 h48
C38: Top Overlay "+" at 2854.69,2938.86 h48 r90
C39: Top Overlay "+" at 2644.69,2938.86 h48 r90
J1: Top Overlay "1" at 2803.07,1507.52 h40 r90; Top Overlay "10" at 2803.07,2388.23 h40 r90
J2: Top Overlay "8" at 85,2125 h40 r270; Top Overlay "1" at 90,3035 h40 r270